# Altium PCB Rescue-MainBoard.PcbDoc (part 1 of 2)
Units mil, origin at the board's own origin, x right, y up, seen from the top; angles counter-clockwise.
Board outline 7480.32 x 7480.32 mil, 2 copper layers (Top Layer, Bottom Layer), stack 65.792 mil thick; 142 components, 159 nets, 629 pads, 157 vias.
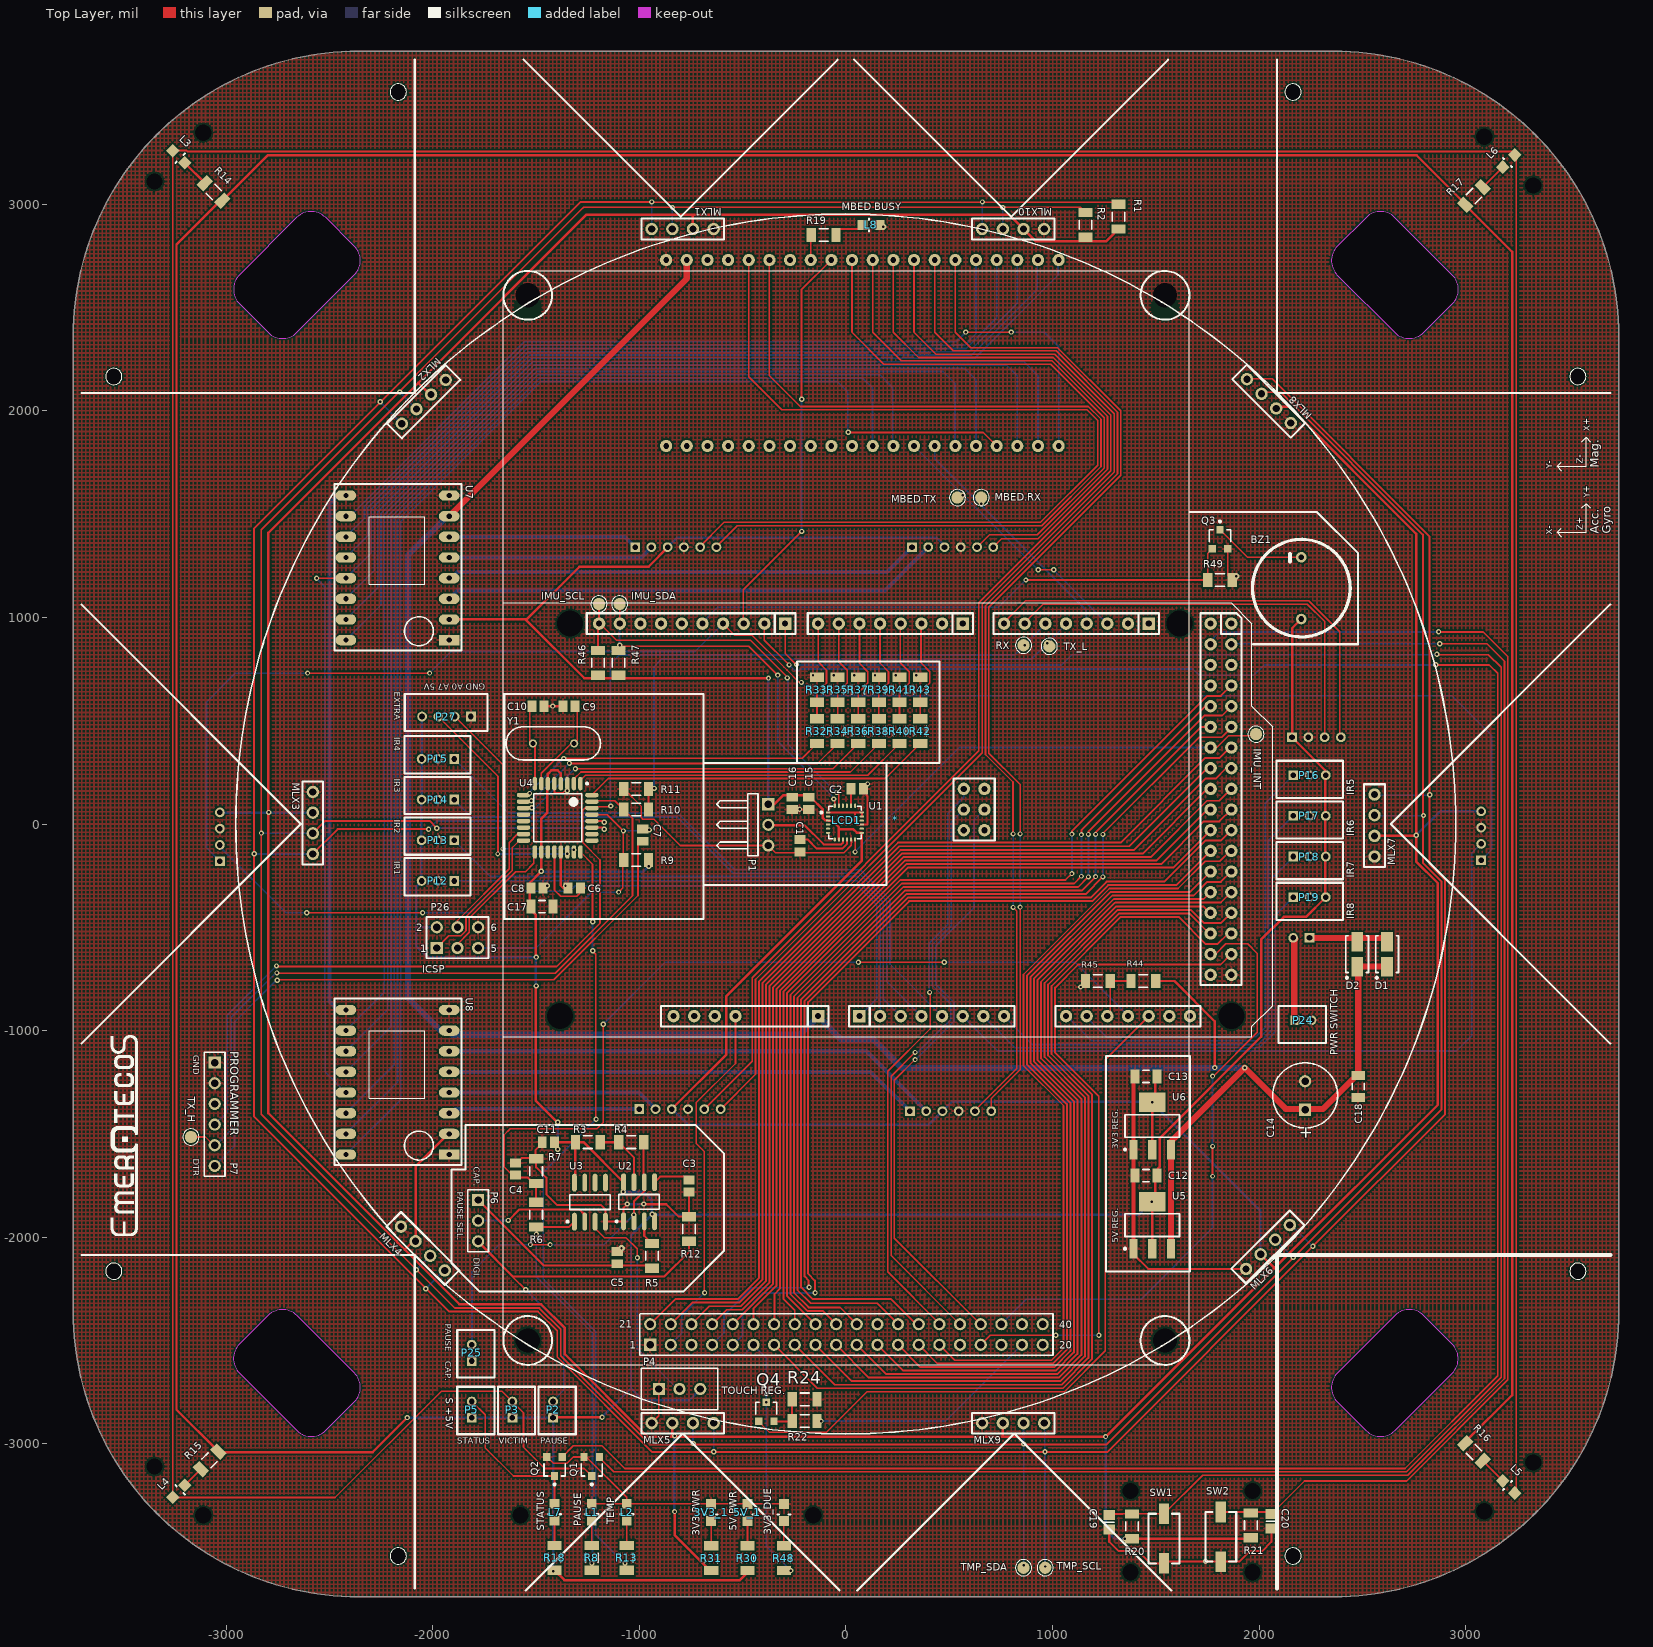
[diagram p0: Top Layer view]
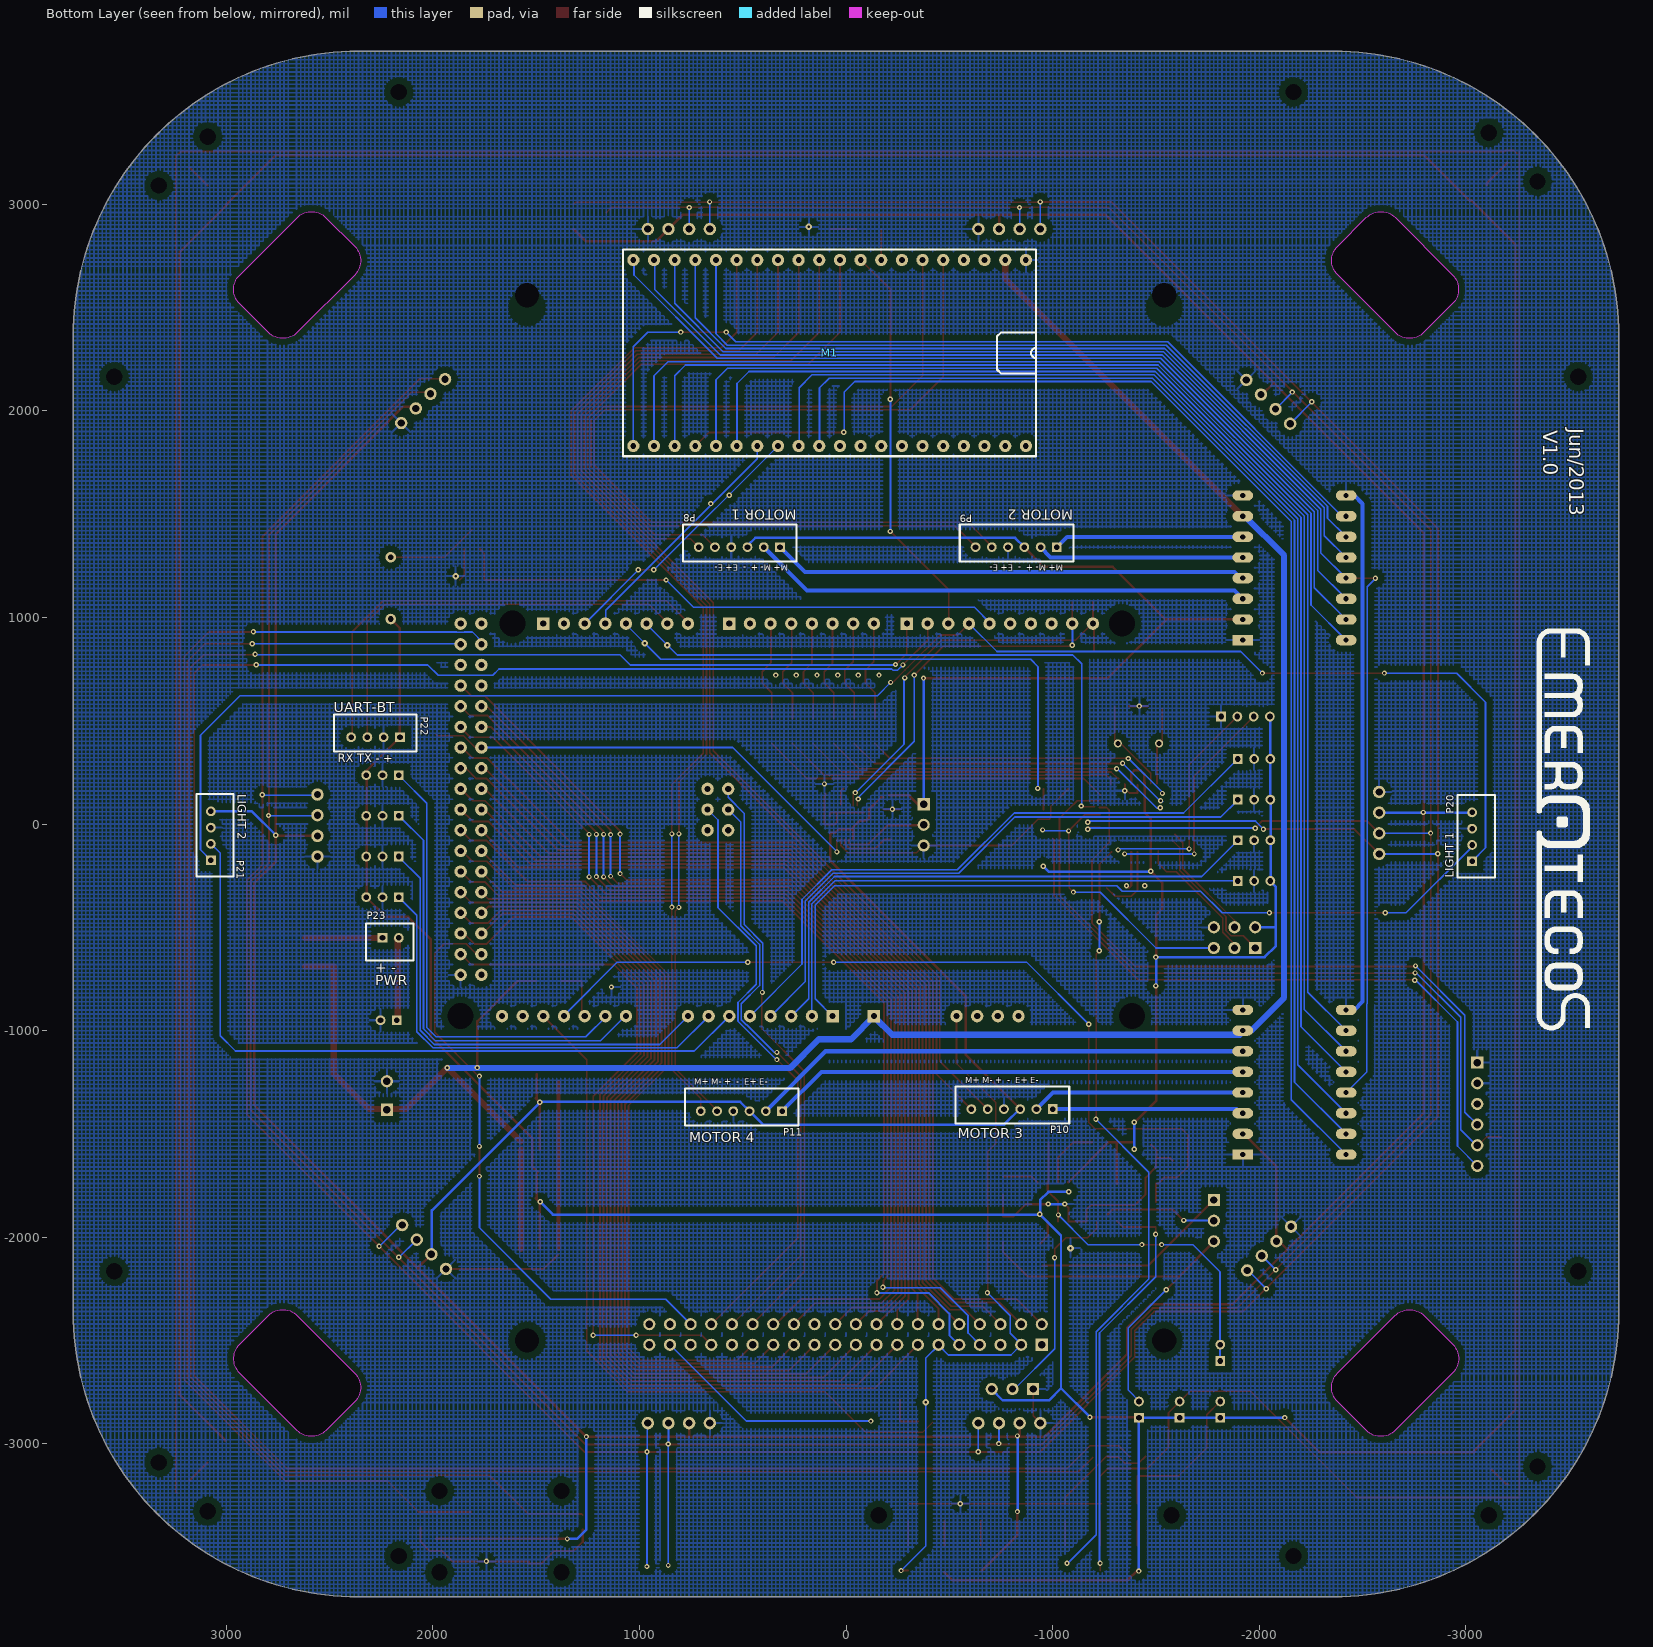
[diagram p1: Bottom Layer view, seen from below]

## Layer stack, top to bottom
Top Layer: signal copper 1.4
Dielectric: core 62.9921, FR-4, Dk 4.8
Bottom Layer: signal copper 1.4

## Board outline
-2361.51,-3740.16 cw(c-2361.51,-2362.21) -3739.47,-2362.21 -3739.47,2362.21 cw(c-2361.51,2362.21) -2361.51,3740.16 2362.9,3740.16 cw(c2362.9,2362.21) 3740.85,2362.21 3740.85,-2362.21 cw(c2362.9,-2362.21) 2362.9,-3740.16
cut-out: 2934.92,-2658.76 ccw(c2864.21,-2588.05) 2934.92,-2517.34 2796.84,-2379.26 ccw(c2727.25,-2448.86) 2657.65,-2379.26 2379.26,-2657.65 ccw(c2448.86,-2727.25) 2379.26,-2796.84 2518.45,-2936.04 ccw(c2588.05,-2866.44) 2657.65,-2936.04
cut-out: -2656.2,-2380.04 ccw(c-2726.91,-2450.75) -2797.62,-2380.04 -2935.7,-2518.12 ccw(c-2866.1,-2587.71) -2935.7,-2657.31 -2657.31,-2935.7 ccw(c-2587.71,-2866.1) -2518.12,-2935.7 -2378.92,-2796.51 ccw(c-2448.52,-2726.91) -2378.92,-2657.31
cut-out: 2656.2,2380.04 ccw(c2726.91,2450.75) 2797.62,2380.04 2935.7,2518.12 ccw(c2866.1,2587.71) 2935.7,2657.31 2657.31,2935.7 ccw(c2587.71,2866.1) 2518.12,2935.7 2378.92,2796.51 ccw(c2448.52,2726.91) 2378.92,2657.31
cut-out: -2934.92,2658.76 ccw(c-2864.21,2588.05) -2934.92,2517.34 -2796.84,2379.26 ccw(c-2727.25,2448.86) -2657.65,2379.26 -2379.26,2657.65 ccw(c-2448.86,2727.25) -2379.26,2796.84 -2518.45,2936.04 ccw(c-2588.05,2866.44) -2657.65,2936.04

## Design rules (kind name [scope] priority, off if disabled: settings)
Clearance Clearance_2 [InNamedPolygon('Top Layer-No Net')] p1: gap=10
Clearance Clearance_1 [InNamedPolygon('BOT-GND')] p2: gap=30
Clearance [All] p3: gap=8
HoleSize [All] p1: absolutevalues=TRUE maxlimit=250 minlimit=11.81 maxpercent=80.000 minpercent=20.000
MinimumAnnularRing [All] p1: minimumring=6
MinimumSolderMaskSliver [All] p1 off: minsoldermaskwidth=0
PolygonConnect [All] p1: connectstyle=Relief reliefconductorwidth=10 reliefentries=4 polygonreliefangle="90 Angle"
RoutingVias [All] p1: holewidth=12 width=24 viastyle="Through Hole" minholewidth=12 minwidth=24 maxholewidth=12 maxwidth=34
SilkToSilkClearance [All] p1 off: silktosilkclearance=0
SilkscreenOverComponentPads [All] p1 off: minsilkscreentomaskgap=1
SolderMaskExpansion [All] p1: expansion=4
Width VCC's [(InNet('+3V3_1') OR InNet('+5V_1') OR InNet('VIN'))] p1: maxlimit=80 minlimit=12 preferedwidth=30
Width [All] p2: maxlimit=30 minlimit=8 preferedwidth=8
24 further rules are at their usual default settings.

## Classes and differential pairs
component class IMU: C1 C2 C15 C16 IMU_INT IMU_SCL IMU_SDA P1 R46 R47 U1
component class Interface: BZ1 C3 C4 C5 C11 C19 C20 L1 L3 L4 L5 L6 L7 P2 P3 P4 P5 P6 P25 Q1 Q2 Q3 R3 R4 R5 R6 R7 R8 R12 R14 R15 R16 R17 R18 R20 R21 R49 SW1 SW2 U2 U3
component class Core: *
component class "Power Supply": 3V3_1 3V3_DUE 5V_1 C12 C13 C14 C18 D1 D2 P23 P24 R30 R31 R44 R45 R48 U5 U6
net class DB[0..15]: DB0 DB1 DB2 DB3 DB4 DB5 DB6 DB7 DB8 DB9 DB10 DB11 DB12 DB13 DB14 DB15
component class "Speed Controller": L8 M1 MBED.RX MBED.TX P8 P9 P10 P11 R19 U7 U8
component class Temperature: C6 C7 C8 C9 C10 C17 L2 MLX1 MLX2 MLX3 MLX4 MLX5 MLX6 MLX7 MLX8 MLX9 MLX10 P7 P26 P27 R1 R2 R9 R10 R11 R13 R32 R33 R34 R35 R36 R37 R38 R39 R40 R41 R42 R43 RX TMP_SCL TMP_SDA TX_H TX_L U4 Y1
component class Sensors: P12 P13 P14 P15 P16 P17 P18 P19 P20 P21
component class Bluetooth: P22
component class LCD: LCD1 Q4 R22 R24

## Components (designator, comment, footprint, x,y, rotation, side; value= is the part's Value field where it differs from the comment)
3V3_1 "LED" LED0805 -652.58,-3373.6 r90 top
3V3_DUE "LED" LED0805 -300,-3373.6 r90 top
5V_1 "LED" LED0805 -476.32,-3373.6 r90 top
* "ARDUINO DUE" ARDUINO-DUE -1934.31,-1030 r0 top locked
BZ1 "Buzzer" BUZZER 2204.72,1141.73 r90 top
C1 "0.1uF" C0805 -222,-105 r90 top
C2 "2.2nF" C0805 55,170 r180 top
C3 "100pF" C0805 -759,-1752 r90 top
C4 "100pF" C0805 -1598.83,-1670.43 r270 top
C5 "100pF" C0805 -1106,-2099 r270 top
C6 "0.1uF" C0805 -1315,-310 r0 top
C7 "0.1uF" C0805 -983,-54 r270 top
C8 "0.1uF" C0805 -1495,-310 r180 top
C9 "22pF" C0805 -1340,570 r180 top
C10 "22pF" C0805 -1490,570 r0 top
C11 "100pF" C0805 -1440,-1540 r0 top
C12 "10uF" C1206 1453.23,-1701.65 r0 top
C13 "10uF" C1206 1453.23,-1221.65 r0 top
C14 "470uF" CAPPR3.5-8X11.5 2223,-1314 r90 top
C15 "0.1uF" C0805 -180,100 r90 top
C16 "10nF" C0805 -260,100 r90 top
C17 "10uF" C1206 -1470,-400 r180 top
C18 "10uF" C1206 2480,-1270 r90 top
C19 "100nF" 6-0805_N 1275,-3380 r270 top
C20 "100nF" 6-0805_N 2060,-3375 r270 top
D1 "1N4004" DIODESMA 2620,-630 r90 top
D2 "1N4004" DIODESMA 2475,-630 r90 top
IMU_INT "Test Point" TP1 1985,435 r90 top
IMU_SCL "Test Point" TP1 -1195,1065 r90 top
IMU_SDA "Test Point" TP1 -1095,1065 r90 top
L1 "LED" LED0805 -1230,-3372.6 r90 top
L2 "LED" LED0805 -1060.63,-3372.6 r90 top
L3 "LED" LED0805 -3200,3200 r135 top
L4 "LED" LED0805 -3200,-3200 r225 top
L5 "LED" LED0805 3180,-3180 r315 top
L6 "LED" LED0805 3180,3180 r45 top
L7 "LED" LED0805 -1410,-3372.6 r90 top
L8 "LED" LED0805 80,2900 r0 top
LCD1 "5.0\" LCD" "TFT LCD 5.0 INCHES" 1662.75,-2618.11 r90 top locked
M1 "mbed LPC1768" DIP40-LARGE -870,2730 r270 bottom locked
MBED.RX "Test Point" TP1 655,1580 r90 top
MBED.TX "Test Point" TP1 540,1580 r90 top
MLX1 "MLX90614" MLX-BREAKOUT -640,2880 r180 top
MLX2 "MLX90614" MLX-BREAKOUT -1937.01,2149.61 r225 top
MLX3 "MLX90614" MLX-BREAKOUT -2580,155 r270 top locked
MLX4 "MLX90614" MLX-BREAKOUT -2153.54,-1948.82 r315 top locked
MLX5 "MLX90614" MLX-BREAKOUT -940,-2900 r0 top
MLX6 "MLX90614" MLX-BREAKOUT 1937.01,-2153.54 r45 top
MLX7 "MLX90614" MLX-BREAKOUT 2559.06,-157.48 r90 top
MLX8 "MLX90614" MLX-BREAKOUT 2153.54,1940.94 r135 top
MLX9 "MLX90614" MLX-BREAKOUT 660,-2900 r0 top
MLX10 "MLX90614" MLX-BREAKOUT 960,2880 r180 top
P1 "Header 3H" HDR1X3H -375.39,96.02 r270 top
P2 "JST PH 2" B2B-PH-K -1417.32,-2874.02 r90 top
P3 "JST PH 2" B2B-PH-K -1614.17,-2874.02 r90 top
P4 "10K" TRIMPOT-3296W -905,-2735 r0 top
P5 "JST PH 2" B2B-PH-K -1811.02,-2874.02 r90 top
P6 "Header 3" HDR1X3 -1780,-1820 r270 top
P7 "Header 6" HDR1X6 -3055,-1155 r270 top
P8 "JST PH 6" B6B-PH-K 320,1340 r0 bottom
P9 "JST PH 6" B6B-PH-K -1020,1340 r0 bottom
P10 "JST PH 6" B6B-PH-K -1000,-1380 r0 bottom locked
P11 "JST PH 6" B6B-PH-K 310,-1390 r0 bottom locked
P12 "JST PH 3" B3B-PH-K -1896.02,-275.59 r180 top
P13 "JST PH 3" B3B-PH-K -1896.02,-78.74 r180 top locked
P14 "JST PH 3" B3B-PH-K -1896.02,118.11 r180 top
P15 "JST PH 3" B3B-PH-K -1896.02,314.96 r180 top
P16 "JST PH 3" B3B-PH-K 2165.35,236.22 r0 top
P17 "JST PH 3" B3B-PH-K 2165.35,39.37 r0 top
P18 "JST PH 3" B3B-PH-K 2165.35,-157.48 r0 top
P19 "JST PH 3" B3B-PH-K 2165.35,-354.33 r0 top
P20 "JST PH 4" B4B-PH-K -3030,-180 r90 bottom
P21 "JST PH 4" B4B-PH-K 3075,-175 r90 bottom
P22 "JST PH 4" B4B-PH-K 2160,420 r0 bottom
P23 "JST PH 2" B2B-PH-K 2244.09,-551.18 r180 bottom
P24 "JST PH 2" B2B-PH-K 2175,-950 r0 top
P25 "JST PH 2" B2B-PH-K -1811,-2599 r90 top
P26 "Header 3X2" HDR2X3 -1980,-600 r0 top
P27 "JST PH 4" B4B-PH-K -1815,520 r180 top
Q1 "BSS138" SOT23 -1230,-3110 r180 top
Q2 "BSS138" SOT23 -1410,-3110 r180 top
Q3 "BSS138" SOT23 1811.02,1377.95 r0 top
Q4 "BSS138" SOT23 -385,-2845 r0 top
R1 "10K" RES1206 1320,2940 r270 top
R2 "10K" RES1206 1160,2900 r270 top
R3 "100K" RES1206 -1248.87,-1540.43 r180 top
R4 "100K" RES1206 -1038.87,-1540.43 r180 top
R5 "10K" RES1206 -938.83,-2090.39 r90 top
R6 "10K" RES1206 -1498.83,-1890.46 r270 top
R7 "2K2" RES1206 -1498.83,-1680.43 r270 top
R8 "330R" RES1206 -1230,-3552.6 r90 top
R9 "10K" RES1206 -1015,-174 r180 top
R10 "10K" RES1206 -1015,70 r180 top
R11 "2K2" RES1206 -1015,170 r0 top
R12 "10K" RES1206 -758.83,-1960.43 r270 top
R13 "330R" RES1206 -1060.63,-3552.6 r270 top
R14 "330R" RES1206 -3060,3060 r135 top
R15 "330R" RES1206 -3080,-3080 r225 top
R16 "330R" RES1206 3040,-3040 r315 top
R17 "330R" RES1206 3040,3040 r45 top
R18 "330R" RES1206 -1410,-3552.6 r90 top
R19 "330R" RES1206 -108,2851 r180 top
R20 "10K" RES1206 1385,-3400 r90 top
R21 "10K" RES1206 1960,-3395 r90 top
R22 "10R" RES1206 -200,-2890 r180 top
R24 "10K" RES1206 -200,-2785 r0 top
R30 "330R" RES1206 -476.32,-3553.6 r270 top
R31 "1K" RES1206 -652.07,-3553.6 r270 top
R32 "10K" RES1206 -140,450 r90 top
R33 "2K2" RES1206 -140,650 r90 top
R34 "10K" RES1206 -40,450 r90 top
R35 "2K2" RES1206 -40,650 r90 top
R36 "10K" RES1206 60,450 r90 top
R37 "2K2" RES1206 60,650 r90 top
R38 "10K" RES1206 160,450 r90 top
R39 "2K2" RES1206 160,650 r90 top
R40 "10K" RES1206 260,450 r90 top
R41 "2K2" RES1206 260,650 r90 top
R42 "10K" RES1206 360,450 r90 top
R43 "2K2" RES1206 360,650 r90 top
R44 "10K" RES1206 1440,-760 r0 top
R45 "2K2" RES1206 1220,-760 r0 top
R46 "10K" RES1206 -1200,780 r90 top
R47 "10K" RES1206 -1100,780 r90 top
R48 "330R" RES1206 -300,-3553.6 r270 top
R49 "10K" RES1206 1811.02,1181.1 r0 top
RX "Test Point" TP1 860,865 r0 top
SW1 "PUSH BUTTON" "PUSH-BUTTON 5,2X1,6MM" 1540,-3578.74 r90 top
SW2 "PUSH BUTTON" "PUSH-BUTTON 5,2X1,6MM" 1815,-3570.63 r90 top
TMP_SCL "Test Point" TP1 965,-3600 r90 top
TMP_SDA "Test Point" TP1 860,-3600 r90 top
TX_H "Test Point" TP1 -3170,-1515 r90 top
TX_L "Test Point" TP1 985,860 r90 top
U1 "MPU-9150" LGA-24 -4.53,6.69 r0 top
U2 "LM555CM" M08A_N -1000.83,-1828.72 r90 top
U3 "LM358D" 751-02_N -1238.83,-1830.43 r90 top
U4 "ATmega328-AU" 32A_N -1395,30 r270 top
U5 "LM1117IMPX-5.0/NOPB" MP04A_N 1483.23,-1941.65 r90 top
U6 "LM1117IMPX-3.3/NOPB" MP04A_N 1483.23,-1461.65 r90 top
U7 "TB6612FNG" TB6612FNG -1920,890 r180 top locked
U8 "TB6612FNG" TB6612FNG -1920,-1600 r180 top locked
Y1 "16Mhz" OSC-2-PIN-TH -1315,390 r180 top

## Footprints (in the part's own frame and the unit in brackets; to place one, negate y for a bottom-side part, rotate by r counter-clockwise, add the part's x,y. Pads: shape width x height; smd on the part's side, far side on the other; paste and mask are expansions set on the pad)
6-0805_N [mm] "Chip Resistor, Body 2.0x1.2mm, IPC Medium Density"
  rect 1.2x1.4 smd: 1(-0.9,0) 2(0.9,0)
  silkscreen extent 0,-0.6 0,0.6, body extent -1.07,-0.7 1.07,0.7, height 0.7
32A_N [mm] "Thin QFP, 32-Leads, Body 7x7mm, Pitch 0.8mm, IPC Medium Density"
  oval 1.65x0.55 smd: 1(-4.2,2.8) 2(-4.2,2) 3(-4.2,1.2) 4(-4.2,0.4) 5(-4.2,-0.4) 6(-4.2,-1.2) 7(-4.2,-2) 8(-4.2,-2.8) 17(4.2,-2.8) 18(4.2,-2) 19(4.2,-1.2) 20(4.2,-0.4) 21(4.2,0.4) 22(4.2,1.2) 23(4.2,2) 24(4.2,2.8)
  oval 0.55x1.65 smd: 9(-2.8,-4.2) 10(-2,-4.2) 11(-1.2,-4.2) 12(-0.4,-4.2) 13(0.4,-4.2) 14(1.2,-4.2) 15(2,-4.2) 16(2.8,-4.2) 25(2.8,4.2) 26(2,4.2) 27(1.2,4.2) 28(0.4,4.2) 29(-0.4,4.2) 30(-1.2,4.2) 31(-2,4.2) 32(-2.8,4.2)
  silkscreen extent -4.32,-2.95 2.95,3.75, body extent -3.5,-3.5 3.5,3.5, height 1.2
751-02_N [mm] "SOIC, 8-Leads, Body 4.9x3.9mm, Pitch 1.27mm, IPC Medium Density"
  oval 2.2x0.6 smd: 1(-2.4,1.905) 2(-2.4,0.635) 3(-2.4,-0.635) 4(-2.4,-1.905) 5(2.4,-1.905) 6(2.4,-0.635) 7(2.4,0.635) 8(2.4,1.905)
  silkscreen extent -2.52,-2.5 0.9,2.88, body extent -1.95,-2.45 1.95,2.45, height 1.75
ARDUINO-DUE [mil]
  round 62.99 hole 125.98: 0(550,100) 0(600,2000) 0(3550,2000) 0(3800,100)
  rect 60x60 hole 30: 0(2500,2000) 8(1640,2000) 21(3400,2000) A0(2000,100) VIN(1800,100)
  round 60 hole 30: 1(2400,2000) 2(2300,2000) 3(2200,2000) 3V3(1400,100) 4(2100,2000) 5(2000,2000) 5V(3700,2000) 5V(3800,2000) 6(1900,2000) 7(1800,2000) 9(1540,2000) 10(1440,2000) 11(1340,2000) 12(1240,2000) 13(1140,2000) 14(2700,2000) 15(2800,2000) 16(2900,2000) 17(3000,2000) 18(3100,2000) 19(3200,2000) 20(3300,2000) 22(3700,1900) 23(3800,1900) 24(3700,1800) 25(3800,1800) 26(3700,1700) 27(3800,1700) 28(3700,1600) 29(3800,1600) 30(3700,1500) 31(3800,1500) 32(3700,1400) 33(3800,1400) 34(3700,1300) 35(3800,1300) 36(3700,1200) 37(3800,1200) 38(3700,1100) 39(3800,1100) 40(3700,1000) 41(3800,1000) 42(3700,900) 43(3800,900) 44(3700,800) 45(3800,800) 46(3700,700) 47(3800,700) 48(3700,600) 49(3800,600) 50(3700,500) 51(3800,500) 52(3700,400) 53(3800,400) +VCC(2605,1200) A1(2100,100) A2(2200,100) A3(2300,100) A4(2400,100) A5(2500,100) A6(2600,100) A7(2700,100) A9(3000,100) A10(3100,100) A11(3200,100) AREF(940,2000) CANRX(3500,100) CANTX(3600,100) DAC0(3300,100) DAC1(3400,100) GND(2605,1000) GND1(1040,2000) GND4(3700,300) GND5(3800,300) IOREF(1200,100) MISO(2505,1200) MOSI(2605,1100) RESET(1100,100) RESET(1300,100) RESET(2505,1000) SCK(2505,1100) SCL1(740,2000) SDA1(840,2000)
  silkscreen extent 279,0 4000,2100, body extent -35,0 4000,2100, height 441
B2B-PH-K [mm] "JST PH 2 Pin"
  rect 1.2x1.2 hole 0.7: 1(0,0)
  round 1.2 hole 0.7: 2(2,0)
  silkscreen extent -2.03,-2.79 3.81,1.78, body extent -2.09,-2.76 3.81,1.74, height 6
B3B-PH-K [mm] "JST PH 3 Pin"
  rect 1.2x1.2 hole 0.7: 1(0,0)
  round 1.2 hole 0.7: 2(2,0) 3(4,0)
  silkscreen extent -2.03,-2.79 6.1,1.78, body extent -1.92,-2.79 5.98,1.71, height 6
B4B-PH-K [mm] "JST PH 4 Pin"
  rect 1.2x1.2 hole 0.7: 1(0,0)
  round 1.2 hole 0.7: 2(2,0) 3(4,0) 4(6,0)
  silkscreen extent -2.03,-2.79 8.13,1.78, body extent -1.9,-2.72 8,1.78, height 6
B6B-PH-K [mm] "JST PH 6 Pin"
  rect 1.2x1.2 hole 0.7: 1(0,0)
  round 1.2 hole 0.7: 2(2,0) 3(4,0) 4(6,0) 5(8,0) 6(10,0)
  silkscreen extent -2.03,-2.79 11.94,1.78, body extent -1.93,-2.81 11.97,1.69, height 6
BUZZER [mm] "Buzzer 12mm"
  round 1.3 hole 0.7: 1(-3.8,0) 2(3.8,0)
  silkscreen extent -6,-6 6,6, body extent -6.03,-6 9.43,6, height 9.65
C0805 [mm] "Chip Capacitor, Body 2.0x1.3mm, IPC High Density"
  rect 1.1x1.4 smd: 1(-0.75,0) 2(0.75,0)
  body extent -1.1,-0.72 1.1,0.72, height 1.4
C1206 [mm] "Chip Capacitor, Body 3.2x1.6mm, IPC High Density"
  rect 1.1x1.7 smd: 1(-1.35,0) 2(1.35,0)
  silkscreen extent -0.4,-0.75 0.4,0.75, body extent -1.7,-0.9 1.7,0.9, height 1.3
CAPPR3.5-8X11.5 [mm] "Capacitor, Electrolytic, Radial; Body 8 x 11.5 mm (Dia.xH typ); Pin Spacing 3.5 mm (typ)"
  rect 1.5x1.5 hole 0.9: 1(-1.75,0)
  round 1.5 hole 0.9: 2(1.75,0)
  silkscreen extent -4,-4 4,4
DIODESMA [mm]
  rect 2.4x1.45 smd: 1(-1.525,0) 2(1.525,0)
  silkscreen extent -3.02,-1.4 2.25,1.4, body extent -2.25,-1.4 2.25,1.4, height 2.3
DIP40-LARGE [mm]
  round 1.5 hole 0.7: 1(0,0) 2(0,-2.54) 3(0,-5.08) 4(0,-7.62) 5(0,-10.16) 6(0,-12.7) 7(0,-15.24) 8(0,-17.78) 9(0,-20.32) 10(0,-22.86) 11(0,-25.4) 12(0,-27.94) 13(0,-30.48) 14(0,-33.02) 15(0,-35.56) 16(0,-38.1) 17(0,-40.64) 18(0,-43.18) 19(0,-45.72) 20(0,-48.26) 21(22.86,-48.26) 22(22.86,-45.72) 23(22.86,-43.18) 24(22.86,-40.64) 25(22.86,-38.1) 26(22.86,-35.56) 27(22.86,-33.02) 28(22.86,-30.48) 29(22.86,-27.94) 30(22.86,-25.4) 31(22.86,-22.86) 32(22.86,-20.32) 33(22.86,-17.78) 34(22.86,-15.24) 35(22.86,-12.7) 36(22.86,-10.16) 37(22.86,-7.62) 38(22.86,-5.08) 39(22.86,-2.54) 40(22.86,0)
  silkscreen extent -1.27,-49.53 24.13,1.27, body extent -1.52,-51.05 24.48,4.73, height 16.84
HDR1X3 [mm] "Connector; Header; 3 Position"
  rect 1.5x1.5 hole 0.9: 1(0,0)
  round 1.5 hole 0.9: 2(2.54,0) 3(5.08,0)
  silkscreen extent -1.27,-1.27 6.35,1.27
HDR1X3H [mm] "Connector; Header; 3 Position; Right Angle"
  rect 1.5x1.5 hole 0.9: 1(0,0)
  round 1.5 hole 0.9: 2(2.54,0) 3(5.08,0)
  silkscreen extent -1.27,-6.35 6.35,-1.27
HDR1X6 [mm] "Connector; Header; 6 Position"
  rect 1.5x1.5 hole 0.9: 1(0,0)
  round 1.5 hole 0.9: 2(2.54,0) 3(5.08,0) 4(7.62,0) 5(10.16,0) 6(12.7,0)
  silkscreen extent -1.27,-1.27 13.97,1.27
HDR2X3 [mm] "Connector; Header; 3x2 Position"
  rect 1.5x1.5 hole 0.9: 1(0,0)
  round 1.5 hole 0.9: 2(0,2.54) 3(2.54,0) 4(2.54,2.54) 5(5.08,0) 6(5.08,2.54)
  silkscreen extent -1.27,-1.27 6.35,3.81
LED0805 [mm]
  rect 1.2x1.2 smd: 1(0,0) 2(2.1,0)
  silkscreen extent 0.8,-0.8 0.8,0.8, body extent 0,-0.7 2.1,0.7, height 0.8
LGA-24 [mm] "QFN, 24-Leads, Body 4,0x4,0mm (max), Pitch 0,50mm, IPC Medium Density"
  oval 0.55x0.25 smd: 1(-2.075,1.25) 2(-2.075,0.75) 3(-2.075,0.25) 4(-2.075,-0.25) 5(-2.075,-0.75) 6(-2.075,-1.25) 13(2.075,-1.25) 14(2.075,-0.75) 15(2.075,-0.25) 16(2.075,0.25) 17(2.075,0.75) 18(2.075,1.25)
  oval 0.25x0.55 smd: 7(-1.25,-2.075) 8(-0.75,-2.075) 9(-0.25,-2.075) 10(0.25,-2.075) 11(0.75,-2.075) 12(1.25,-2.075) 19(1.25,2.075) 20(0.75,2.075) 21(0.25,2.075) 22(-0.25,2.075) 23(-0.75,2.075) 24(-1.25,2.075)
  silkscreen extent -3.02,-2 2,2, body extent -2,-2 2,2, height 1.1
M08A_N [mm] "SOIC, 8-Leads, Body 4.9x3.9mm, Pitch 1.27mm, IPC Medium Density"
  oval 2.2x0.6 smd: 1(-2.4,1.905) 2(-2.4,0.635) 3(-2.4,-0.635) 4(-2.4,-1.905) 5(2.4,-1.905) 6(2.4,-0.635) 7(2.4,0.635) 8(2.4,1.905)
  silkscreen extent -2.52,-2.5 0.9,2.88, body extent -2,-2.5 2,2.5, height 1.75
MLX-BREAKOUT [mil]
  round 60 hole 35: 1(0,0) 2(100,0) 3(200,0) 4(300,0)
  silkscreen extent -50,-50 350,50, body extent -150,-323 410,50, height 504
MP04A_N [mm] "SOT223, 4-Leads, Body 6.5x3.5mm, Pitch 2.3mm, Lead Span 7mm, IPC Medium Density"
  rect 2.4x1 smd: 1(-2.9,2.3) 2(-2.9,0) 3(-2.9,-2.3)
  rect 2.4x3.3 smd: 4(2.9,0)
  silkscreen extent -3.02,-3.35 1.4,3.47, body extent -1.85,-3.35 1.85,3.35, height 1.8
OSC-2-PIN-TH [mm] "Trough Hole two pin crystal oscilator"
  round 1 hole 0.6: 1(0,0) 2(5.08,0)
  silkscreen extent -3.23,-2.03 8.37,2.03, body extent -2.79,-1.52 7.87,1.52, height 3.09
"PUSH-BUTTON 5,2X1,6MM" [mm]
  rect 2.54x1.27 smd: 1(0,0) 2(6.1,0)
  silkscreen extent 0,-1.9 6.1,1.9, body extent -0.3,-1.7 6.5,1.7, height 2.5
RES1206 [mm] "Chip Resistor, 2-Leads, Body 3,1x1,6mm, IPC Medium Density"
  rect 1.15x1.75 smd: 1(-1.525,0) 2(1.525,0)
  silkscreen extent -0.55,-0.77 0.55,0.78, body extent -1.6,-0.8 1.6,0.8, height 0.55
SOT23 [mm] "SOT-23; 3 Leads; Body 3.1 x 2.5 mm, inc. leads (LxW max), Alternate Lead Configuration"
  rect 0.9x0.95 smd: 1(0,1.175) 2(0.95,-1.175) 3(-0.95,-1.175)
  silkscreen extent -1.3,-0.3 1.3,2.32
TB6612FNG [mil]
  rect 100x50 hole 25: 1(0,0)
  oval 100x50 hole 25: 2(0,-100) 3(0,-200) 4(0,-300) 5(0,-400) 6(0,-500) 7(0,-600) 8(0,-700) 9(500,-700) 10(500,-600) 11(500,-500) 12(500,-400) 13(500,-300) 14(500,-200) 15(500,-100) 16(500,0)
  silkscreen extent -60,-755 555,50, body extent -50,-749 554,51, height 642
"TFT LCD 5.0 INCHES" [mm]
  round 1.2 hole 3 unplated: 0(3,81.35) 0(3,3) 0(131.5,3) 0(131.5,81.35)
  rect 1.5x1.5 hole 0.9: 1(2.464,66.294)
  round 1.5 hole 0.9: 2(2.464,63.754) 3(2.464,61.214) 4(2.464,58.674) 5(2.464,56.134) 6(2.464,53.594) 7(2.464,51.054) 8(2.464,48.514) 9(2.464,45.974) 10(2.464,43.434) 11(2.464,40.894) 12(2.464,38.354) 13(2.464,35.814) 14(2.464,33.274) 15(2.464,30.734) 16(2.464,28.194) 17(2.464,25.654) 18(2.464,23.114) 19(2.464,20.574) 20(2.464,18.034) 21(5.004,66.294) 22(5.004,63.754) 23(5.004,61.214) 24(5.004,58.674) 25(5.004,56.134) 26(5.004,53.594) 27(5.004,51.054) 28(5.004,48.514) 29(5.004,45.974) 30(5.004,43.434) 31(5.004,40.894) 32(5.004,38.354) 33(5.004,35.814) 34(5.004,33.274) 35(5.004,30.734) 36(5.004,28.194) 37(5.004,25.654) 38(5.004,23.114) 39(5.004,20.574) 40(5.004,18.034)
  silkscreen extent 0,0 134.5,84.35, body extent 0,0 133,84.35, height 16.78
TP1 [mm]
  round 1.5 smd: 1(0,0)
  silkscreen extent -1,-1 1,1
TRIMPOT-3296W [mm]
  rect 1.5x1.5 hole 0.9: 1(0,0)
  round 1.5 hole 0.9: 2(2.54,0) 3(5.08,0)
  silkscreen extent -2.16,-2.54 7.24,2.54, body extent -2.06,-2.41 7.14,2.39, height 11.96

## Part data
BZ1: library part BUZZER
C1 C2 C3 C4 C5 C6 C7 C8 C9 C10 C11 C12 C13 C15 C16 C17 C18 C19 C20: library part "Cap Semi", "Capacitor (Semiconductor SIM Model)"
C14: library part EKA00PB310J00, "Aluminum Electrolytic Capacitor, Radial Style with Long Leads: 100uF, 63V"
D1 D2: library part DIODE
IMU_INT IMU_SCL IMU_SDA MBED.RX MBED.TX RX TMP_SCL TMP_SDA TX_H TX_L: "Test Point for Osciloscope measurements"
LCD1: library part "TFT LCD 5.0 INCHES"
MLX1 MLX2 MLX3 MLX4 MLX5 MLX6 MLX7 MLX8 MLX9 MLX10: library part MLX-BREAKOUT
P1: "Header, 3-Pin, Right Angle"
P4: library part TRIMPOT
P6: "Header, 3-Pin"
P7: "Header, 6-Pin"
P26: "Header, 3-Pin, Dual row"
Q1 Q2 Q3 Q4: "N-Channel Enhancement Mode Vertical DMOS FET"
R1 R2 R3 R4 R5 R6 R7 R8 R9 R10 R11 R12 R13 R14 R15 R16 R17 R18 R19 R20 R21 R22 R24 R30 R31 R32 R33 R34 R35 R36 R37 R38 R39 R40 R41 R42 R43 R44 R45 R46 R47 R48 R49: library part RES
U1: "InveSense MPU-9150 IMU 9 axles"
U2: "Timer, 8-pin Narrow SOIC"
U3: "Dual Low-Power Operational Amplifier"
U4: "8-bit AVR Microcontroller, 32KB Flash, 1KB EEPROM, 2KB SRAM, 32-pin TQFP, Industrial Grade (-40°C to 85°C)"
U5 U6: "800mA Low-Dropout Linear Regulator, 4-pin SOT-223, Pb-Free"
U7 U8: "H BRIDGE"
Y1: library part OSC-2-PIN, "2 pin oscilator"

## Free pads (board coordinates)
  round 51.18 hole 78.74: H(-3543.31,-2165.35) H(-3543.31,2165.35) H(-3346.46,-3110.24) H(-3346.46,3110.24) H(-3110.24,-3346.46) H(-3110.24,3346.46) H(-2165.35,-3543.31) H(-2165.35,3543.31) H(-1574.8,-3346.46) H(-157.48,-3346.46) H(1377.95,-3622.05) H(1377.95,-3228.35) H(1968.5,-3622.05) H(1968.5,-3228.35) H(2165.35,-3543.31) H(2165.35,3543.31) H(3090.55,-3326.77) H(3090.55,3326.77) H(3326.77,-3090.55) H(3326.77,3090.55) H(3543.31,-2165.35) H(3543.31,2165.35)

## Via types
v1: diameter 25.59, hole 11.81, Top Layer to Bottom Layer, tented both sides, 110 vias
v2: diameter 24, hole 12, Top Layer to Bottom Layer, tented both sides, 28 vias
v3: diameter 24, hole 12, Top Layer to Bottom Layer, 13 vias
v4: diameter 31.5, hole 11.81, Top Layer to Bottom Layer, tented both sides, 6 vias

## Nets (pads, with @x,y where several pads share a name; then routed paths per layer and width w, separated by ;. In a path a pad name is that pad's centre, name@x,y a point inside that pad or via, vN(x,y) a via of type N, cw(c..) or ccw(c..) an arc to the next point about the centre after c; other vN are vias at no path point)
+3V3_1: C13.2 C15.2 C16.2 MLX1.2 MLX2.2 MLX3.2 MLX4.2 MLX5.2 MLX6.2 MLX7.2 MLX8.2 MLX9.2 MLX10.2 P1.1 P8.3 P9.3 P10.3 P11.3 P20.4 P21.4 R1.2 R2.2 R20.1 R21.1 R31.2 R46.1 R47.1 U1.3 U1.8 U1.13 U6.2 U6.4 U7.2 U8.2 | length 32909.6
  Top Layer w12: -2175.47,-2019.53 -2795,-1400 -2795,1410 -2070,2135 ; -2175,-2020 -2135,-2060 ; MLX2.2@-2007.72,2078.9 -2013.9,2078.9 -2070,2135 ; U8.2@-1925,-1500 -2082.83,-1657.83 MLX4.2@-2082.83,-2019.53 -2094.53,-2019.53 -2135,-2060 ; U7.2@-1920,990 -1550,990 ; P9.3@-860,1340 -955,1245 -1290,1245 -1545,990 -1550,990 ; P10.3@-842.52,-1380 -578.31,-1115.79 -578.31,-833.31 78,-177 U1.13@78,-41.76 ; v1@-840,-2960 MLX5.2@-840,-2900 ; v1(-829,-3328) -829,-3441 R31.2@-657,-3613 ; MLX1.2@-740,2880 -740,2950 ; P1.1@-375.39,96.02 -346.02,96.02 -302.05,140 -208,140 ; v1@-375.39,705.39 -1100,705.39 -1265.39,705.39 -1550,990 ; C15.2@-180,129.53 -170.04,129.53 -111.05,70.53 -111.05,28.38 -99.96,17.3 U1.3@-90,17.3 ; U1.3@-86.22,16.54 -66.54,16.54 -34.06,-15.94 -34.06,-24.77 ; U1.8@-34.06,-75 -34.06,-24.77 ; U1.13@77.16,-42.52 53.15,-42.52 35.4,-24.77 -34.06,-24.77 ; MLX9.2@760,-2895 MLX9.2@760,-2900 760,-2965 ; R1.2@1320,2879.96 1260,2820 920,2820 MLX10.2@860,2880 790,2950 -1255,2950 -2070,2135 ; R20.1@1355,-3460 R20.1@1385,-3460.04 1960,-3459.96 R21.1@1985,-3459.96 ; U6.4@1482.52,-1347.48 U6.4@1483.23,-1347.48 U6.4@1503.23,-1327.48 ; U6.2@1483.23,-1575.83 U6.4@1483.23,-1351.65 ; U6.4@1498,-1327.83 C13.2@1498,-1212 ; MLX6.2@2007.72,-2082.83 2074.89,-2150 2075,-2150 ; MLX8.2@2085,2020 2145,2020 2760,1405 v1@2760,-55 ; MLX7.2@2559.06,-57.48 2757.52,-57.48 v1@2760,-55 ; -2135,-2060 -1870.5,-2324.5 -1475.5,-2324.5 -1360,-2440 -1360,-2566.8 -961.8,-2965 760,-2965 ; 760,-2965 v2(1257,-2965) 1260,-2965 2075,-2150 ; 2075,-2150 2865,-1360 2865,-286.16 2760,-181.16 v1@2760,-55
  Bottom Layer w12: P20.4@-3030,55 MLX3.2@-2580,55 ; P9.3@-862.52,1340 -817.52,1385 440,1385 P8.3@475,1350 ; P10.3@-845,-1375 -765,-1455 402.48,-1455 P11.3@467.48,-1390 512.48,-1345 v1@1485,-1345 ; v1@-830,-3330 v1@-830,-2963 ; P1.1@-375.39,96.02 v1@-375.39,705.39 ; v2(1257,-2965) 1257,-3414 1303.04,-3460.04 1303.08,-3460 v2(1350,-3460) ; v1@1482.52,-1347.48 2005,-1869.96 MLX6.2@2005,-2085 ; v1@2760,-55 v1(2761,-54) 2877.48,62.48 P21.4@3075,62.48
  other v1: -829,-2962 1483.52,-1346.48 -2794,56 -374.39,706.39
+3V3_DUE: *.3V3 LCD1.2 LCD1.6 Q4.1 R48.2 | length 3393.4
  Top Layer w8: v1@-685,-2270 -685,-1585 -725,-1545 -725,-1350 -534.31,-1159.31 *.3V3@-534.31,-930 ; R48.2@-300,-3613.64 v2(-266.36,-3613.64)
  Bottom Layer w8: LCD1.2@-850,-2520 -795,-2465 -795,-2380 v1@-685,-2270 ; LCD1.2@-847.25,-2521.11 -798.36,-2570 -495,-2570 LCD1.6@-450,-2525 ; LCD1.6@-450,-2520 -385,-2585 -385,-3495 v2(-266.36,-3613.64)
  other v1: -684,-2269
  other v4: -385,-2800
+5V_1: BZ1.1 C8.2 C11.2 C12.2 C17.2 P2.1 P3.1 P4.3 P5.1 P12.3 P13.3 P14.3 P15.3 P16.3 P17.3 P18.3 P19.3 P22.1 P26.2 P27.4 R3.2 R9.1 R14.1 R15.1 R16.1 R17.1 R18.1 R30.2 U2.4 U2.8 U3.8 U4.4 U4.6 U4.18 U5.2 U5.4 | length 34932
  Top Layer w12: R15.1@-3040,-3040 -2290,-3040 v1@-2124.02,-2874.02 ; R15.1@-3037.55,-3037.55 -3239.96,-2835.13 -3239.96,2805.04 R14.1@-3025,3020 ; R14.1@-3017.55,3017.55 -2798.59,3236.5 2763.5,3236.5 R17.1@3000,3000 ; C8.2@-1531,-327.15 C8.2@-1531,-324 ; v1@-1500,-785 -1500,-1340 v1@-1395,-1445 ; v1@-1500,-645 -1500,-440 -1530,-410 -1530,-285 -1475,-230 U4.18@-1475,-130 ; U4.18@-1473.74,-135.35 -1473.74,26.26 -1445,55 U4.6@-1445,200 ; U4.6@-1442.24,195.35 -1442.24,242.76 -1425,260 -1395,260 -1380,245 ; P2.1@-1414,-2875 -1411,-2872 v1@-1181,-2872 ; R18.1@-1410,-3612.64 -1362.64,-3660 -513,-3660 R30.2@-474,-3621 ; -1386.85,-1540 -1270.07,-1540 U2.8@-1075.83,-1734.24 ; U4.4@-1379.25,195.35 -1379.25,244.25 ; U3.8@-1308.91,-1740.86 U3.8@-1313.83,-1735.94 -1308.91,-1731.01 R3.2@-1308.91,-1540.42 ; U5.2@1483.23,-2055.83 1483.23,-1831.65 U5.4@1503.23,-1811.65 ; C12.2@1493,-1685 1520,-1658 1520,-1520 2010,-1030 2010,-560 2120,-450 2227.16,-450 P19.3@2322.83,-354.33 ; U5.4@1498,-1812 C12.2@1498,-1692 ; BZ1.1@2204.72,992.13 2160,947.4 P22.1@2160,420 2320,260 P19.3@2320,-350 ; R17.1@2997.55,2997.55 3225,2770.09 3225,-2765 R16.1@3005,-2985
  Bottom Layer w12: v1@-2124.02,-2874.02 P5.1@-1811.02,-2874.02 P3.1@-1614.17,-2874.02 P2.1@-1417.32,-2874.02 v1@-1417.32,-3617.32 ; P14.3@-2055,120 -2055,-280 -2080,-305 -2080,-500 ; P27.4@-2055,535 -2053.5,533.5 P15.3@-2053.5,314.96 P14.3@-2053.5,118.11 ; P26.2@-1980,-500 -2080,-500 ; v1@-1500,-785 v1@-1500,-645 ; v1(-1499,-644) -2026,-644 -2080,-590 -2080,-500 ; v1@-1475,-230 -980,-230 v1@-954.96,-204.96 ; v1@-1395,-1575 v1@-1395,-1445 ; v1@-1181,-2872 v1(-1180,-2871) -1040,-2731 ; v1@-1078.83,-1780.42 -978.83,-1780.42 -938.83,-1820.42 v1@-938.83,-1890.42 ; P4.3@-703,-2735 -758,-2790 -981,-2790 -1040,-2731 ; v1@1480,-1830 1419.57,-1890.42 v1@-938.83,-1890.42 ; -1040,-2731 -1040,-1991.59 v1@-938.83,-1890.42
  other v1: -1416.32,-3616.32 -2123.02,-2873.02 -937.83,-1889.42 1481,-1829 -1077.83,-1779.42 -1394,-1574 -1394,-1444 -1499,-784 -1474,-229 -953.96,-203.96
A0: P27.2 U4.23 | length 1083.1
  Top Layer w8: P27.2@-1893.74,520 -1660,286.26 v3(-1660,-120)
  Bottom Layer w8: v3(-1660,-120) -1320,-120 -1316.93,-123.07 v3(-1316.93,-125)
A2: U4.25
A3: U4.26
A6: U4.19
A7: P27.3 U4.22 | length 1126.3
  Top Layer w8: P27.3@-1972.48,520 -1684,231.52 -1684,-144 v3(-1685,-145) ; v3(-1348.42,-145) U4.22@-1345,-141.58
  Bottom Layer w8: v3(-1685,-145) v3(-1348.42,-145)
BUSY: R13.2 U4.24 | length 3744.9
  Top Layer w8: U4.24@-1284.76,-135.35 -1226,-194.12 v1@-1226,-474 ; v1@-1226,-614 -1210,-630 v1@-1210,-1430
  Bottom Layer w8: v1@-1226,-614 v1@-1226,-474 ; v1@-1210,-1430 -1465,-1685 -1465,-2202.37 -1210,-2457.37 -1210,-3440 v1@-1070,-3580
  other v1: -1069,-3579 -1209,-1429 -1225,-613 -1225,-473
D2: R42.1 U4.32 | length 1693.5
  Top Layer w8: U4.32@-1230,140 -1150,220 190.04,220 R42.1@360,389.96
D3: R40.1 U4.1 | length 1638.1
  Top Layer w8: U4.1@-1280,190 -1280,216 -1260,236 106.04,236 R40.1@260,389.96
D4: R38.1 U4.2 | length 1550.4
  Top Layer w8: U4.2@-1320,220 -1314.05,220 -1282.05,252 22.04,252 R38.1@160,389.96
D5: R32.1 U4.9 | length 1499.7
  Top Layer w8: v1@-1366,319 -210.96,319 R32.1@-140,389.96
  Bottom Layer w8: v1@-1531,143 -1531,154 v1@-1366,319
  other v1: -1531,148 -1366,317
D6: R34.1 U4.10 | length 1607.4
  Top Layer w8: v1@-1339,293 -136.96,293 R34.1@-40,389.96
  Bottom Layer w8: v1@-1531,109 -1523,109 v1@-1339,293
  other v1: -1522,112 -1338,294
D7: R36.1 U4.11 | length 1718.6
  Top Layer w8: v1@-1312,268 -61.96,268 R36.1@60,389.96
  Bottom Layer w8: v1@-1529,77 -1503,77 v1@-1312,268
  other v1: -1520,78 -1309,268
D8: U4.12
D9: U4.13
D10: U4.14
DB0: *.33 LCD1.21 | length 4826.5
  Top Layer w9: LCD1.21@-947.25,-2421.11 -826.14,-2300 -522.3,-2300 -421,-2198.7 -421,-763.46 252.46,-90 1330,-90 1740,320 1810,320 1855.69,365.69 1855.69,380 *.33@1865.69,370
DB1: *.34 LCD1.22 | length 4574.5
  Top Layer w9: LCD1.22@-847.25,-2421.11 -743.14,-2317 -515.26,-2317 -404,-2205.74 -404,-770.5 258.5,-108 1372,-108 1752.15,272.15 1767.85,272.15 *.34@1765.69,270
DB2: *.35 LCD1.23 | length 4568.5
  Top Layer w9: LCD1.23@-747.25,-2421.11 -660.14,-2334 -508.22,-2334 -387,-2212.78 -387,-777.54 264.54,-126 1394,-126 1709.74,189.74 1709.74,190 1739.74,220 1790,220 1840,270 *.35@1865.69,270
DB3: *.36 LCD1.24 | length 4329.4
  Top Layer w9: LCD1.24@-647.25,-2421.11 -577.14,-2351 -501.18,-2351 -370,-2219.82 -370,-784.58 271.58,-143 1437,-143 1750,170 1751.39,170 1754.39,173 1762.69,173 *.36@1765.69,170
DB4: *.37 LCD1.25 | length 4327
  Top Layer w9: LCD1.25@-547.25,-2421.11 -353,-2226.86 -353,-791.63 278.63,-160 1475.59,-160 1748.09,112.5 1808.19,112.5 *.37@1865.69,170
DB5: *.38 LCD1.26 | length 4129.8
  Top Layer w9: LCD1.26@-447.25,-2421.11 -447.25,-2347.25 -336,-2236 -336,-799 286,-177 1503,-177 1750,70 *.38@1765.69,70
DB6: *.39 LCD1.27 | length 4174.3
  Top Layer w9: LCD1.27@-347.25,-2421.11 -345,-2418.86 -345,-2275 -319,-2249 -319,-806.04 293.04,-194 1526,-194 1732.5,12.5 1808.19,12.5 *.39@1865.69,70
DB7: *.40 LCD1.28 | length 4022.8
  Top Layer w9: LCD1.28@-247.25,-2421.11 -247.25,-2352.75 -302,-2298 -302,-813.08 300.08,-211 1584.69,-211 *.40@1765.69,-30
DB8: *.51 LCD1.7 | length 4654
  Top Layer w9: LCD1.7@-347.25,-2521.11 -137.36,-2731 1051.12,-2731 1191,-2591.12 1191,-1308.87 995.5,-1113.37 995.5,-784.5 1330,-450 1610.59,-450 1740.59,-580 1800,-580 1850,-530 *.51@1865.69,-530
DB9: *.50 LCD1.8 | length 4412.6
  Top Layer w9: LCD1.8@-247.25,-2521.11 -54.36,-2714 1044.08,-2714 1174,-2584.08 1174,-1315.92 978.5,-1120.42 978.5,-777.46 1322.96,-433 1663,-433 1760,-530 *.50@1765.69,-530
DB10: *.49 LCD1.9 | length 4412.6
  Top Layer w9: LCD1.9@-147.25,-2521.11 28.64,-2697 1037.04,-2697 1157,-2577.04 1157,-1322.96 961.5,-1127.46 961.5,-770.42 1315.92,-416 1670.04,-416 1734.04,-480 1815.69,-480 *.49@1865.69,-430
DB11: *.48 LCD1.10 | length 4171.2
  Top Layer w9: LCD1.10@-47.25,-2521.11 111.64,-2680 1030,-2680 1140,-2570 1140,-1330 944.5,-1134.5 944.5,-763.38 1308.88,-399 1729,-399 1760,-430 *.48@1765.69,-430
DB12: *.47 LCD1.11 | length 4171.2
  Top Layer w9: LCD1.11@52.75,-2521.11 194.64,-2663 1022.96,-2663 1121,-2564.96 1121,-1335.04 927.5,-1141.54 927.5,-756.33 1301.83,-382 1303.83,-380 1815.69,-380 *.47@1865.69,-330
DB13: *.46 LCD1.12 | length 3957.1
  Top Layer w9: LCD1.12@152.75,-2521.11 277.64,-2646 1015.92,-2646 1104,-2557.92 1104,-1342.08 910.5,-1148.58 910.5,-749.29 1296.79,-363 1732.69,-363 *.46@1765.69,-330
DB14: *.45 LCD1.13 | length 3984.4
  Top Layer w9: LCD1.13@252.75,-2521.11 360.64,-2629 1008.87,-2629 1087,-2550.88 1087,-1349.12 893.5,-1155.62 893.5,-742.25 1289.75,-346 1684,-346 1750,-280 1815.69,-280 *.45@1865.69,-230
DB15: *.44 LCD1.14 | length 3770.4
  Top Layer w9: LCD1.14@352.75,-2521.11 443.64,-2612 1001.83,-2612 1070,-2543.83 1070,-1356.17 876.5,-1162.67 876.5,-735.21 1282.71,-329 1666.69,-329 *.44@1765.69,-230
DTR: C7.2 P7.6 | length 3221.7
  Top Layer w8: v1@-2755,-754 -1414,-754 -1006,-346 -1006,-76 C7.2@-1000,-70
  Bottom Layer w8: P7.6@-3055,-1655 -2959,-1559 -2959,-958 v1@-2755,-754
  other v1: -2753,-757
ENABLE: *.10 M1.9 | length 1932.9
  Top Layer w9: *.10@-497,974 -497,1133 v1@-215,1415 ; v1@-215,2055 -215,2585 M1.9@-70,2730
  Bottom Layer w9: v1@-215,1415 v1@-215,2055
  other v1: -214,1416 -214,2056